# Allegro board AX7021-2019-04-01.brd (continued)
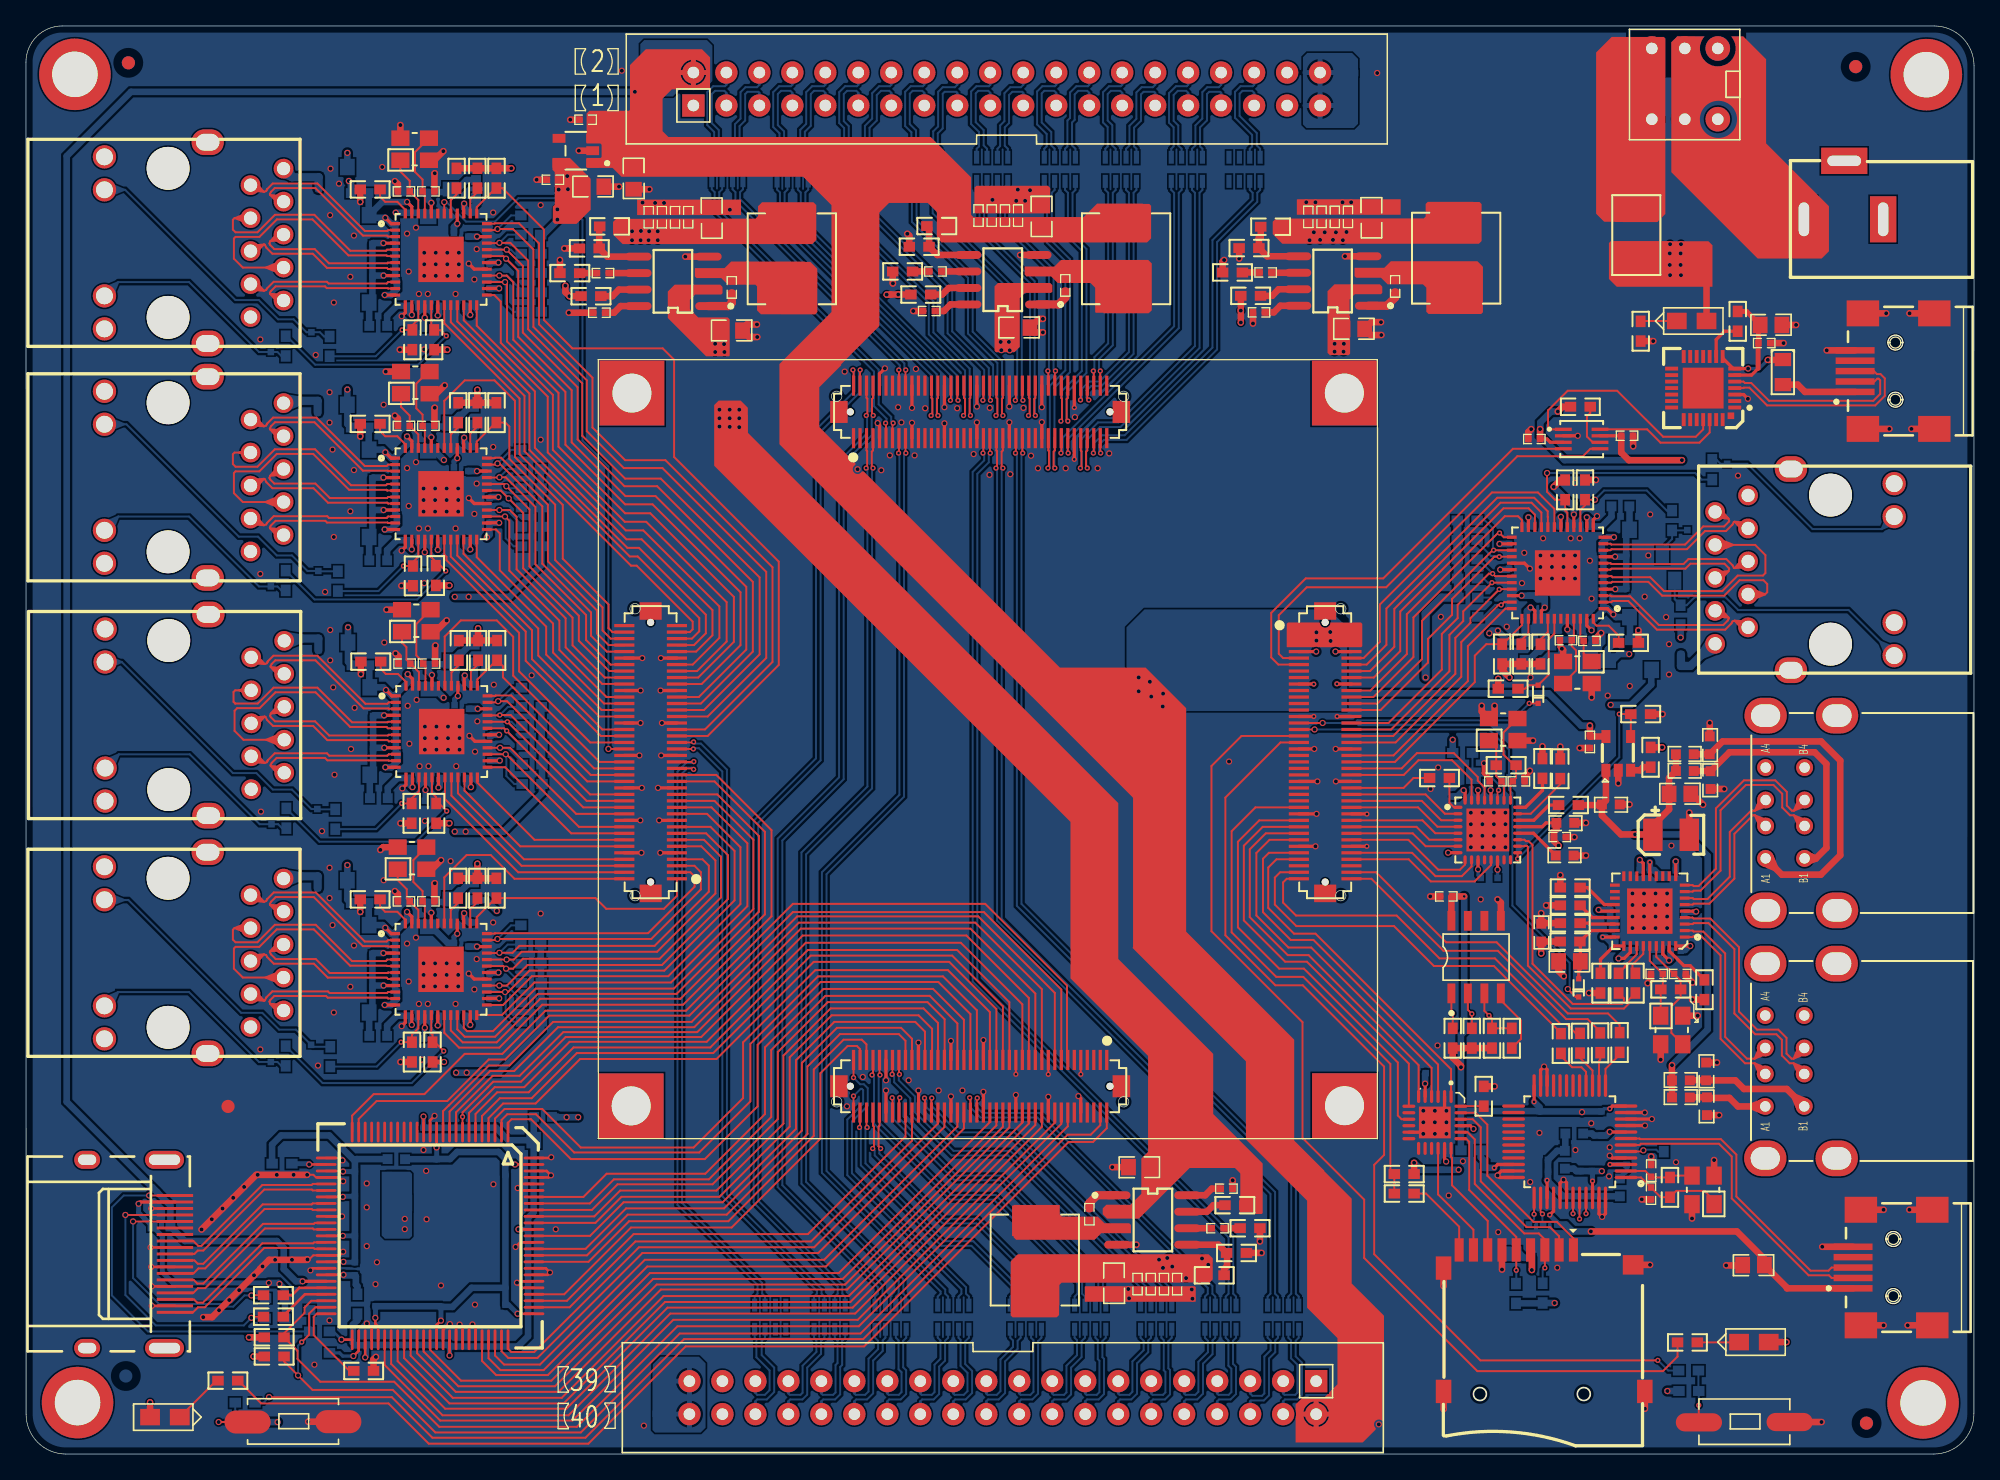
[diagram p0: board, top side]
## Routing (per net, layer and track width the routed paths; a pad name or vN(x,y) marks a point on that pad's centre or on a via; arc(x,y) is an arc through that point) (continued)
  vias: v1(30.62,74.37) v1(30.62,73.48) v1(30.62,72.59) v1(30.62,37.8) v1(30.62,36.91) v1(30.62,36.02) v1(30.67,92.53) v1(30.67,91.64) v1(30.67,90.75) v1(30.72,56.03) v1(30.72,55.14) v1(30.72,54.25) v1(31.51,74.37) v1(31.51,73.48) v1(31.51,72.59) v1(31.51,37.8) v1(31.51,36.91) v1(31.51,36.02) v1(31.56,92.53) v1(31.56,91.64) v1(31.56,90.75) v1(31.61,56.03) v1(31.61,55.14) v1(31.61,54.25) v1(32.39,74.37) v1(32.39,73.48) v1(32.39,72.59) v1(32.39,37.8) v1(32.39,36.91) v1(32.39,36.02) v1(32.45,92.53) v1(32.45,91.64) v1(32.45,90.75) v1(32.5,56.03) v1(32.5,55.14) v1(32.5,54.25) v1(33.28,73.48) v1(33.28,72.59) v1(33.28,36.91) v1(33.28,36.02) v1(33.33,91.64) v1(33.33,90.75) v1(33.39,55.14) v1(33.39,54.25) v1(47.48,96.39) v1(48.45,96.37) v1(49.13,96.37) v1(54.2,95.85) v1(63.04,83.37) v1(63.22,26.78) v1(64.03,75.86) v1(64.44,29.04) v1(65.86,75.78) v1(66.52,76.92) v1(67.16,80.63) v1(67.41,79.46) v1(67.97,28.79) v1(68.43,76.92) v1(68.53,83.58) v1(69.24,80.56) v1(70.28,28) v1(71.71,80.56) v1(72.11,28) v1(72.98,77.02) v1(74.22,80.58) v1(74.19,75.42) v1(74.42,96.61) v1(75.79,75.48) v1(76.25,96.53) v1(76.38,97.4) v1(76.81,80.58) v1(76.94,96.53) v1(77.32,97.34) v1(77.4,76.9) v1(77.93,75.93) v1(80.06,75.93) v1(80.77,79.87) v1(82.53,75.93) v1(83.41,77.08) v1(84.89,12.71) v1(84.95,11.99) v1(89.77,12.67) v1(89.82,11.96) v1(92.64,53.34) v1(98.59,96.42) v1(99.3,96.42) v1(101.38,96.42) v1(102.04,96.42) v1(107.6,26.44) v1(107.6,25.55) v1(108.49,26.44) v1(108.49,25.55) v1(108.49,24.66) v1(109.38,25.55) v1(109.38,24.66) v1(111.26,49.4) v1(111.26,48.51) v1(111.26,47.62) v1(111.26,46.74) v1(112.15,49.4) v1(112.15,48.51) v1(112.15,47.62) v1(112.15,46.74) v1(113.04,49.4) v1(113.04,48.51) v1(113.04,47.62) v1(113.04,46.74) v1(113.93,49.4) v1(113.93,48.51) v1(113.93,47.62) v1(113.93,46.74) v1(116.62,69.22) v1(116.62,68.33) v1(116.62,67.44) v1(117.51,69.22) v1(117.51,68.33) v1(118.4,69.22) v1(118.4,68.33) v1(118.4,67.44) v1(119.29,69.22) v1(119.29,68.33) v1(119.29,67.44) v1(123.71,43.18) v1(123.71,41.4) v1(124.6,42.29) v1(124.6,41.4) v1(124.6,40.51) v1(125.07,72.38) v1(125.49,42.29) v1(125.49,41.4) v1(126.37,42.29)
VBUS1: length 6.1
  TOP w0.508: L26.1 128.13,27.48 C237.1 129.49,27.43 131.18,27.43 131.83,26.78 J5.A1
VBUS2: length 9.6
  TOP w0.508: J5.B1 135.59,28.12 132.29,28.12 131.63,28.78 C238.1 129.38,28.79 L29.1
VBUS3: length 26.5
  TOP w0.508: J6.A1 135.21,44.63 138.21,44.63 139.71,46.13 139.71,53.42 138.24,54.89 130.64,54.89 C241.1 129.66,53.91 L27.1
VBUS4: length 19.7
  TOP w0.508: J6.B1 137.84,45.88 138.64,46.69 138.64,53.15 137.74,54.05 131.17,54.05 C242.1 129.71,52.61 L30.1
VCC1V2: length 77
  TOP w0.254: v1(36.48,53.42) 36.47,53.4 U11.26 ; U12.14 v1(29.71,69.68) ; U13.14 v1(29.71,87.74) ; U6.23 v1(115.69,72.15) ; v1(33.74,41.66) 33.69,41.61 33.69,40.89 U10.39 ; U10.14 v1(29.71,33.05) ; U13.23 v1(34.21,87.74) ; v1(36.43,35.1) 35.5,35.1 U10.26 ; v1(36.43,71.73) 35.5,71.73 U12.26 ; v1(33.74,78.28) 33.69,78.23 33.69,77.51 U12.39 ; U6.30 v1(113.53,68.12) ; U6.26 114.4,70.1 v1(113.47,70.1) ; U11.23 v1(34.26,51.37) ; U11.14 v1(29.76,51.37) ; v1(36.43,89.79) 35.5,89.79 U13.26 ; v1(33.74,96.32) 33.69,96.27 33.69,95.57 U13.39 ; U13.30 v1(36.38,91.77) ; U12.30 v1(36.38,73.71) ; v1(31.71,33.02) U10.18 ; U12.23 v1(34.21,69.69) ; v1(31.71,87.71) U13.18 ; v1(118.19,72.19) U6.18 ; U10.30 v1(36.38,37.09) ; U6.14 v1(120.19,72.15) ; v1(33.79,59.97) 33.74,59.92 33.74,59.2 U11.39 ; U10.23 v1(34.21,33.06) ; U6.39 116.19,64.94 115.94,65.2 v1(115.86,65.2) ; U11.30 v1(36.43,55.4) ; v1(31.71,69.65) U12.18 ; v1(31.76,51.33) U11.18
  BOTTOM w0.254: v1(29.71,33.05) 29.52,33.24 C91.1
  BOTTOM w0.508: v1(33.79,59.97) 33.79,59.64 34.17,59.26 C121.1 34.55,59.44 L14.1 ; C145.1 33.84,70.02 34.17,69.69 v1(34.21,69.69) ; v1(33.74,41.66) 33.74,41.33 34.12,40.94 C95.1 ; v1(36.26,41.83) 35.43,42.66 L11.1 ; v1(34.26,51.37) 34.22,51.37 33.89,51.7 C117.1 ; v1(120.19,72.15) 120.38,71.97 C38.1 121.35,71.45 122.1,72.2 L6.1 ; v1(36.48,53.42) C118.1 ; v1(112.68,63.22) 112.89,63.42 v1(113.34,63.42) 113.34,63.4 114.2,62.55 L5.1 115.4,64.08 C35.1 115.58,64.92 v1(115.86,65.2) ; C37.1 118.09,72.09 v1(118.19,72.19) ; v1(33.74,78.28) 33.74,77.95 34.12,77.57 C142.1 34.5,77.75 L17.1 ; v1(29.76,51.37) 29.58,51.55 C120.1 28.61,52.07 27.86,51.32 L15.1 ; L21.1 27.81,87.69 28.56,88.44 C170.1 29.52,87.93 v1(29.71,87.74) ; C173.1 31.81,87.81 v1(31.71,87.71) ; v1(31.71,33.02) 31.81,33.12 C92.1 ; C146.1 31.81,69.75 v1(31.71,69.65) ; v1(35.49,70.61) 35.7,70.82 C143.1 v1(36.43,71.73) ; v1(36.43,55.4) 35.83,55.4 C116.1 ; v1(36.43,35.1) C94.1 ; C93.1 33.84,33.39 34.17,33.06 v1(34.21,33.06) ; v1(36.43,89.79) C172.1 ; C147.1 35.78,73.71 v1(36.38,73.71) ; C168.1 35.78,91.77 v1(36.38,91.77) ; v1(36.38,37.09) 35.78,37.09 C90.1 ; C91.1 28.56,33.76 27.81,33.01 L12.1 ; C36.1 114.13,68.12 v1(113.53,68.12) ; v1(31.76,51.33) 31.86,51.43 C119.1 ; v1(29.71,69.68) 29.52,69.87 C144.1 28.56,70.38 27.81,69.63 L18.1 ; v1(115.69,72.15) 115.73,72.15 116.06,71.82 C34.1 ; v1(113.47,70.1) C39.1 ; v1(33.74,96.32) 33.74,96.01 34.12,95.63 C169.1 34.33,95.94 34.66,96.27 L20.1 ; v1(34.21,87.74) 34.17,87.74 33.84,88.07 C171.1
  vias: v1(46.67,94.18) v1(46.67,93.5) v1(47.36,94.21) v1(47.33,93.5) v1(47.99,94.18) v1(47.94,93.5) v1(48.65,94.18) v1(48.65,93.5)
VCC1V8: length 48.3
  TOP w0.254: v1(112.79,51.13) 112.82,51.1 U7.28 ; U7.32 110.82,51.02 v1(110.7,51.13) ; U6.34 v1(115.17,66.12) ; U6.16 v1(119.19,72.37) ; v1(116.95,65.2) 116.69,64.94 U6.40 ; U7.11 v1(111.82,45.03) ; U7.8 v1(109.51,46.32) ; U7.14 v1(113.32,45.01) ; U7.30 v1(111.82,51.13) ; U5.5 v1(107.74,28.53)
  TOP w0.508: v1(117.64,74.5) 118.17,75.03 R27.2 ; R29.2 R23.1 R24.2 113.68,60.37 v1(114.23,59.82) ; R26.2 v1(113.37,59.72)
  BOTTOM w0.254: v1(111.82,45.03) 111.82,44.58 C54.1 ; v1(113.32,45.01) 113.32,44.38 C56.1
  BOTTOM w0.508: v1(116.95,65.2) C29.1 116.42,65.84 116.14,66.12 C28.1 115.18,66.12 v1(115.17,66.12) ; v1(110.7,51.13) 110.22,50.65 C55.1 ; v1(122.03,57.71) 123.6,57.71 125.16,59.27 125.16,60.38 C26.1 ; R36.2 v1(109.86,55.02) ; v1(107.74,28.53) 107.74,29.29 C24.1 ; v1(117.64,74.5) 118.93,73.2 C27.1 119.19,73.16 v1(119.19,72.37)
  BOTTOM w0.635: R30.2 R31.2 R32.2 110.25,68.89 R33.2 110.27,67.42 R28.2 109,65.97 107.78,64.74 v1(107.78,59.82)
  BOTTOM w0.762: L9.2 29.18,21.35 L8.2 29.19,19.35 C81.1 v1(29.17,18.11) v1(29.17,17.32)
  vias: v1(87.25,14.97) v1(87.56,14.34) v1(87.89,15.1) v1(88.27,14.44) v1(89.33,13.55) v1(90.56,15.06) v1(91.04,14.58)
VCC3V3: length 161.3
  TOP w0.254: U5.21 111.22,25.29 v1(111.47,25.04) ; v1(128.61,41.78) 128.42,41.78 128.38,41.82 U18.5 ; v1(122.64,38.18) 123.07,38.18 123.54,38.64 U18.29 ; C240.1 122.84,78.43 U4.7 ; C52.1 117.05,48.62 116.76,48.32 U7.21 ; U18.36 v1(128.16,39.13) ; U18.23 121.2,41.82 v1(121.1,41.92) ; v1(109.36,22.53) 109.36,22.58 109.24,22.7 U5.17 ; U18.10 v1(127.04,45.65) ; U18.15 124.54,45.5 v1(124.27,45.76) ; U4.3 117.38,77.93 117.13,78.18 C239.1
  TOP w0.508: C239.1 v1(116.6,78.95) ; v1(127.52,76.56) 123.43,76.56 122.84,77.14 C240.1 ; R160.1 118.33,80.67 v1(117.96,80.3) ; C52.1 117.85,48.11 117.66,47.92 C53.1 117.66,47.22 v1(118.02,46.86) ; R41.1 v1(125.99,54.43) ; R48.2 v1(17.17,8.99) ; v1(115.96,14.17) 115.96,15.62 J3.4 ; R19.2 v1(106.89,22.43) ; v1(17.53,7.51) R49.2 ; LED2.1 v1(9.56,3.98) ; v1(116.68,38.56) C224.1 116.68,39.48 R153.2 ; LED1.1 v1(135.56,8.62)
  SVCC w0.381: J12.11 7.14,81.86 ; J12.11 4.95,81.86 ; J12.11 6.04,82.95 ; J12.11 6.04,80.77 ; J11.11 6.1,64.64 ; J11.11 7.19,63.55 ; J11.11 6.1,62.46 ; J11.11 5,63.55 ; J16.40 100.71,106.41 ; J16.40 99.65,107.47 ; J16.40 98.6,106.41 ; J16.40 99.65,105.36 ; 4.95,45.23 J10.11 ; J10.11 6.04,44.14 ; J10.11 7.14,45.23 ; J10.11 6.04,46.32 ; J12.14 6.04,69.7 ; J12.14 4.95,68.61 ; J12.14 6.04,67.52 ; J12.14 7.14,68.61 ; J15.39 51.09,6.67 ; J15.39 51.09,4.56 ; J15.39 52.14,5.61 ; J15.39 50.03,5.61 ; 4.95,31.98 J10.14 ; J10.14 6.04,30.89 ; J10.14 7.14,31.98 ; J10.14 6.04,33.07 ; J11.14 7.19,50.3 ; J11.14 5,50.3 ; J11.14 6.1,49.21 ; J11.14 6.1,51.39 ; 51.09,2.02 J15.40 ; J15.40 51.09,4.13 ; J15.40 52.14,3.07 ; J15.40 50.03,3.07 ; J13.11 6.04,101.01 ; J13.11 6.04,98.83 ; J13.11 4.95,99.92 ; J13.11 7.14,99.92 ; J13.14 6.04,87.76 ; J13.14 4.95,86.67 ; J13.14 6.04,85.58 ; J13.14 7.14,86.67 ; 98.6,103.87 J16.39 ; J16.39 99.65,104.93 ; J16.39 100.71,103.87 ; J16.39 99.65,102.82 ; 142.77,74.75 J4.14 ; J4.14 143.86,73.66 ; J4.14 144.95,74.75 ; J4.14 143.86,75.84
  BOTTOM w0.381: J16.40 100.82,106.41 ; J16.40 98.49,106.41 ; J16.40 99.65,105.24 ; J16.40 99.65,107.58 ; J15.39 51.09,6.78 ; J15.39 51.09,4.45 ; J15.39 49.92,5.61 ; 99.65,102.7 J16.39 ; J16.39 98.49,103.87 ; J16.39 99.65,105.04 ; J16.39 100.82,103.87 ; J15.40 51.09,4.24 ; J15.40 51.09,1.91 ; J15.40 49.92,3.07 ; C225.1 128.53,41.7 v1(128.61,41.78) ; v1(128.16,39.13) 127.79,38.77 C223.1
  BOTTOM w0.508: R123.2 v1(19.37,2.46) ; L13.1 24.8,61.02 C112.1 v1(24.8,63.68) ; v1(121.1,41.92) C228.1 121.99,41.02 R163.2 ; v1(115.96,14.17) C25.1 115.35,15.11 115.05,15.42 C22.1 ; v1(110.32,21.89) C23.1 107.43,21.89 v1(106.89,22.43) ; L16.1 24.75,79.34 C138.1 v1(24.75,81.99) ; v1(127.52,76.56) 118.48,76.56 116.6,78.44 v1(116.6,78.95) 116.61,78.96 116.61,79.46 117.45,80.3 v1(117.96,80.3) ; R111.1 v1(127.42,62.89) ; L10.1 24.75,42.71 C86.1 v1(24.75,45.36) ; C226.1 127.04,45.65 v1(127.04,45.65) ; v1(123.45,61.62) 122.69,61.62 122.18,61.11 C30.1 121.8,61.98 122.15,62.32 L4.1 ; v1(28.47,95.62) 30.66,95.62 C164.1 ; L7.1 40.94,25.97 40.97,25.95 v1(41.63,25.95) v1(42.52,25.95) ; L19.1 25.02,97.13 25.02,97.9 v1(24.87,98.06) ; C229.1 123.26,38.79 v1(122.64,38.18) ; v1(117.71,11.63) R17.2 116.77,11.61 R16.2 ; R119.2 v1(126.4,4.85) ; C227.1 v1(124.27,45.76)
  vias: v1(98.84,93.5) v1(99.17,94.11) v1(99.65,93.52) v1(100.01,94.11) v1(100.64,93.52) v1(100.87,94.11) v1(101.41,93.5) v1(101.69,94.13)
VCC5V: length 184.2
  TOP w0.254: U9.45 v1(21.3,13.3)
  TOP w0.381: 51.39,105.36 J16.2 ; J16.2 52.45,106.41 ; J16.2 51.39,107.47 ; J16.2 50.34,106.41 ; J15.2 100.4,3.07 ; J15.2 99.35,4.13 ; J15.2 99.35,2.02 ; J15.2 98.29,3.07
  TOP w0.508: U8.5 120.46,55.27 C61.1 v1(120.43,56.11)
  BOTTOM w0.381: J16.2 51.39,107.58 ; J16.2 50.23,106.41 ; J16.2 52.56,106.41 ; J16.2 51.39,105.24 ; 99.35,1.91 J15.2 100.52,3.07
  BOTTOM w0.508: 101.09,58.58 101.11,58.6 117.26,58.6 119.75,56.11 v1(120.43,56.11) ; v1(46.89,104.93) 8.09,104.93 3.13,99.97 3.13,27.13 9.72,20.54 9.74,20.54 10.11,20.17 10.11,20.15 11.12,19.14 F1.1 12.24,16.41 19.31,16.41 19.85,15.88 19.85,14.25 20.79,13.3 v1(21.3,13.3)
  vias: v1(85.68,59.82) v1(85.68,58.75) v1(86.55,59.49) v1(86.65,58.34) v1(87.56,58.57) v1(87.54,57.58) v1(99.37,63.29) v1(99.37,62.66) v1(100.44,63.32) v1(100.46,62.63)
VCC12V: length 8.8
  TOP w0.508: LED9.1 129.41,90.28 129.44,90.31 ; R142.1 93.55,89.21 v1(93.55,88.07) v1(93.55,87.16) ; v1(41.54,89.99) 41.54,89.5 v1(41.85,89.19) R166.1 ; v1(66.28,89.31) 66.57,89.31 66.58,89.32 v1(67.17,89.32) R138.1
  vias: v1(53.07,85.52) v1(53.07,84.89) v1(53.4,80.44) v1(53.4,79.78) v1(53.4,79.15) v1(53.76,85.5) v1(53.78,84.89) v1(54.19,80.44) v1(54.19,79.78) v1(54.19,79.12) v1(54.92,80.44) v1(54.92,79.78) v1(54.92,79.1) v1(75.06,85.66) v1(75.11,85.03) v1(75.69,85.66) v1(75.75,85.01) v1(100.77,85.52) v1(100.77,84.91) v1(101.48,85.52) v1(101.46,84.91) v1(126.6,93.19) v1(126.58,92.48) v1(126.58,91.59) v1(126.6,90.8) v1(127.42,92.48) v1(127.42,91.59) v1(127.44,93.19) v1(127.44,90.8)
9134_CLK: length 42.5
  TOP w0.152: U9.88 43.43,16.8 46.02,19.39 53.64,19.39 59.29,25.04 59.29,30.33 62.25,33.29 68.48,33.29 69.23,32.54 CON4.57
9134_D0: length 46.8
  TOP w0.152: CON4.45 72.23,33.45 69.85,35.83 61.41,35.83 56.91,31.32 56.91,26.19 52.31,21.59 44.71,21.59 42.93,19.8 U9.94
9134_D1: length 45.9
  TOP w0.152: U9.93 43.42,19.3 45.27,21.16 52.59,21.16 57.39,25.96 57.39,31.12 61.56,35.29 69.6,35.29 71.73,33.16 CON4.47
9134_D2: length 45
  TOP w0.152: U9.92 43.58,18.8 45.55,20.78 52.87,20.78 57.9,25.81 57.9,30.97 61.74,34.81 69.42,34.81 70.74,33.49 70.74,30.37 CON4.51
9134_D3: length 44.1
  TOP w0.152: CON4.53 70.23,33.22 69.11,34.33 61.97,34.33 58.33,30.69 58.33,25.45 53.17,20.29 45.76,20.29 43.77,18.3 U9.91
9134_D4: length 43.3
  TOP w0.152: CON4.55 69.78,30.4 69.78,32.75 68.73,33.79 62.04,33.79 58.81,30.56 58.81,25.22 53.4,19.81 45.86,19.81 43.85,17.8 U9.90
9134_D5: length 41.2
  TOP w0.152: U9.86 43.09,15.8 46.21,18.92 53.76,18.92 59.75,24.92 59.75,30.13 62.45,32.83 67.39,32.83 68.23,31.99 CON4.61
9134_D6: length 40.4
  TOP w0.152: U9.85 43.2,15.3 46.34,18.44 53.96,18.44 60.18,24.66 60.18,29.85 62.68,32.35 67.21,32.35 67.73,31.83 CON4.63
9134_D7: length 37
  TOP w0.152: U9.84 43.31,14.8 46.44,17.93 54.09,17.93 60.67,24.51 60.67,29.62 62.96,31.91 64.36,31.91 64.72,31.56 64.72,30.36 CON4.75
9134_D8: length 36.9
  TOP w0.152: CON4.77 64.23,31.19 63.98,31.43 63.27,31.43 61.17,29.33 61.17,24.28 54.34,17.45 46.59,17.45 41.45,12.3 U9.79
9134_D9: length 35.7
  TOP w0.152: CON4.64 67.73,24.45 60.21,16.94 46.79,16.94 41.66,11.8 U9.78
9134_D10: length 36.6
  TOP w0.152: U9.77 41.86,11.3 46.93,16.37 60.46,16.37 68.23,24.14 CON4.62
9134_D11: length 42
  TOP w0.152: U9.75 37.12,8.11 37.36,7.86 39.14,7.86 47.2,15.93 60.7,15.93 70.23,25.46 CON4.54
9134_D12: length 43.7
  TOP w0.152: CON4.52 70.73,25.19 61.01,15.48 47.47,15.48 39.39,7.4 37.14,7.4 36.62,7.92 U9.74
9134_D13: length 45.8
  TOP w0.152: CON4.48 71.73,25.23 61.46,14.96 47.66,14.96 39.59,6.9 36.81,6.9 36.12,7.59 U9.73
9134_D14: length 47.4
  TOP w0.152: CON4.46 72.23,25.07 61.6,14.45 47.84,14.45 39.86,6.46 36.54,6.46 35.62,7.38 U9.72
9134_D15: length 50
  TOP w0.152: CON4.38 74.23,25.57 62.6,13.94 48.05,13.94 40.19,6.08 36.21,6.08 35.12,7.17 U9.71
9134_D16: length 54.5
  TOP w0.152: CON4.36 74.73,25.31 62.9,13.49 48.3,13.49 40.46,5.65 33.5,5.65 31.12,8.03 U9.63
9134_D17: length 56
  TOP w0.152: U9.62 30.62,7.9 33.3,5.22 40.73,5.22 48.57,13.06 63.08,13.06 75.23,25.2 CON4.34
9134_D18: length 57.5
  TOP w0.152: CON4.32 75.73,25.17 63.24,12.67 48.9,12.67 41.01,4.79 33.09,4.79 30.12,7.76 U9.61
9134_D19: length 59.2
  TOP w0.152: CON4.28 76.73,25.53 63.36,12.17 49.1,12.17 41.26,4.33 32.87,4.33 29.62,7.58 U9.60
9134_D20: length 60.7
  TOP w0.152: U9.59 29.12,7.39 32.61,3.9 41.4,3.9 49.21,11.71 63.48,11.71 77.23,25.46 CON4.26
9134_D21: length 62.3
  TOP w0.152: CON4.24 77.73,25.34 63.66,11.28 49.4,11.28 41.62,3.49 32.28,3.49 28.62,7.15 U9.58
9134_D22: length 63.9
  TOP w0.152: U9.57 28.12,6.94 32.08,2.98 41.78,2.98 49.62,10.82 63.85,10.82 78.23,25.2 CON4.22
9134_D23: length 65.6
  TOP w0.152: U9.56 27.62,6.86 31.9,2.58 42.08,2.58 49.84,10.34 64.05,10.34 79.23,25.52 CON4.18
9134_DE: length 50.7
  TOP w0.152: CON4.43 72.73,33.89 70.26,36.36 61.19,36.36 56.34,31.51 56.34,26.78 52.27,22.72 41.96,22.72 38.89,25.79 37.39,25.79 37.12,25.52 U9.1
9134_HS: length 52.1
  TOP w0.152: U9.2 36.62,25.73 37.06,26.17 39.27,26.17 42.22,23.23 51.84,23.23 55.78,27.16 55.78,31.58 60.99,36.79 70.61,36.79 73.23,34.18 CON4.41
9134_INT: length 69.6
  TOP w0.152: CON4.15 79.73,35.78 73.76,41.74 59.06,41.74 51.08,33.77 40.29,33.77 36.91,30.39 35.64,30.39 32.44,27.19 27,27.19 25.62,25.81 U9.24
9134_MCLK: length 52.2
  TOP w0.152: U9.5 35.12,26.04 36.49,27.41 38.94,27.41 42.42,30.89 52.92,30.89 60.43,38.39 71.32,38.39 75.23,34.49 CON4.33
9134_NRESET: length 71.4
  TOP w0.152: CON4.13 80.16,30.42 80.16,36.08 73.86,42.38 59.06,42.38 50.83,34.15 40.01,34.15 36.68,30.82 33.78,30.82 30.68,27.72 26.77,27.72 25.12,26.07 U9.25
9134_SCK: length 62.5
  TOP w0.152: CON4.17 79.23,35.52 73.33,41.41 59.39,41.41 51.26,33.29 40.59,33.29 37.24,29.93 35.65,29.93 32.57,26.86 32.56,26.86 32.12,26.41 U9.11
9134_SCL: length 78.4
  TOP w0.152: U9.48 21.97,11.8 21.45,11.28 21.45,10.87 19.87,9.29 R48.1 20.91,7.96 20.91,7.33 22.66,5.57 28.35,5.57 31.83,2.09 42.42,2.09 50.17,9.84 64.14,9.84 79.73,25.43 CON4.16
9134_SD0: length 59.2
  TOP w0.152: U9.9 33.12,26.32 35.93,29.13 38.01,29.13 41.38,32.5 51.69,32.5 59.67,40.47 72.72,40.47 77.73,35.47 CON4.23
9134_SD1: length 57.5
  TOP w0.152: U9.8 v2(33.62,25.98) 33.62,26.31 35.56,28.25 35.56,28.26 35.98,28.68 38.12,28.68 41.56,32.12 52,32.12 59.82,39.94 72.42,39.94 77.23,35.13 CON4.25
9134_SD2: length 55.8
  TOP w0.152: CON4.27 76.73,34.64 71.98,39.38 60.05,39.38 52.41,31.75 41.86,31.75 38.37,28.26 36.09,28.26 34.12,26.28 U9.7
9134_SD3: length 53.8
  TOP w0.152: U9.6 34.62,26.2 36.29,27.86 38.71,27.86 42.17,31.32 52.69,31.32 60.2,38.82 71.71,38.82 75.73,34.8 CON4.31
9134_SDA: length 80.5
  TOP w0.152: U9.49 22.29,11.3 21.8,10.82 21.8,9.19 v2(21.23,8.62) ; R49.1 19.87,7.13 v1(20.95,6.05) 22.07,4.94 28.25,4.94 31.52,1.66 42.72,1.66 50.34,9.28 64.26,9.28 80.23,25.25 CON4.14
  BOTTOM w0.152: v2(21.23,8.62) 20.95,8.34 v1(20.95,6.05)
9134_SPDIF: length 50.6
  TOP w0.152: U9.4 35.62,25.88 36.74,27 39.24,27 42.67,30.43 53.18,30.43 60.66,37.91 71.1,37.91 74.73,34.28 CON4.35
9134_VS: length 53.9
  TOP w0.152: CON4.37 74.23,34.04 70.99,37.27 60.78,37.27 55.22,31.71 55.22,27.42 51.41,23.61 42.72,23.61 39.75,26.58 36.86,26.58 36.12,25.84 U9.3
9134_WS: length 60.8
  TOP w0.152: U9.10 32.62,26.38 35.74,29.5 37.59,29.5 40.97,32.88 51.46,32.88 59.51,40.93 73.1,40.93 78.23,35.81 CON4.21
+3P3OUTV: length 12
  TOP w0.254: v2(117.13,21.08) U1.39
  BOTTOM w0.508: L2.1 121.54,19.85 C14.1 118.35,19.86 v2(117.13,21.08) 117.21,21.16 C12.1 C8.1 117.9,23.36 L3.1 118.54,23.39 L1.1
+3P3V: length 52.5
  TOP w0.254: U1.24 v2(116.13,27.13) ; U1.46 v2(120.63,21.03) ; U1.12 122.17,26.8 v2(121.96,26.59)
  TOP w0.508: U2.8 109.76,42.9 C17.1 v2(110.75,42.95) ; R11.2 R10.2 R9.2 109.86,31.26 109.86,30.53 110.5,29.9 v1(110.5,29.79)
  SVCC w0.508: v1(119.82,26.34) 119.82,23.83 121.35,22.3 v1(121.35,21.79)
  BOTTOM w0.254: v2(121.96,26.59) 121.52,26.59 C11.1
  BOTTOM w0.381: v2(120.63,21.03) 120.63,21.74 C16.1
  BOTTOM w0.508: C9.1 110.53,26.42 110.5,26.39 ; C9.1 116.57,26.39 119.77,26.39 v1(119.82,26.34) 119.87,26.39 C11.1 ; C9.1 116.55,26.72 v2(116.13,27.13) ; R7.1 110.5,26.39 ; 110.5,26.39 v1(110.5,29.79) 110.5,32.28 110.75,32.54 v2(110.75,42.95) ; L3.2 119.19,21.98 119.38,21.79 C10.1 C16.1 v1(121.35,21.79)
DN1: length 14.4
  TOP w0.152: U18.1 128.34,39.82 128.42,39.89 129.01,39.89 130.49,38.41 130.49,31.98 132.37,30.1 133.11,30.1 J5.A2
DN2: length 17.7
  TOP w0.152: U18.3 128.34,40.82 128.42,40.89 129.56,40.89 131.56,38.89 131.56,33.93 133.16,32.33 134.79,32.33 135.21,31.91 135.21,30.7 135.81,30.1 136.11,30.1 J5.B2
DN3: length 11.4
  TOP w0.152: U18.6 128.34,42.32 128.42,42.39 129.63,42.39 131.56,44.32 131.56,47.77 132.99,49.2 133.14,49.2 J6.A2
DN4: length 17.3
  TOP w0.152: J6.B2 136.14,49.2 135.84,49.2 135.24,49.8 135.24,50.86 134.56,51.54 132.44,51.54 130.49,49.59 130.49,44.94 128.95,43.39 128.42,43.39 128.34,43.32 U18.8
DP1: length 14.4
  TOP w0.152: U18.2 128.34,40.32 128.42,40.25 129.15,40.25 130.85,38.56 130.85,32.13 132.52,30.45 133.11,30.45 J5.A3
DP2: length 17.7
  TOP w0.152: U18.4 128.34,41.32 128.42,41.25 129.7,41.25 131.91,39.04 131.91,34.08 133.3,32.69 134.93,32.69 135.57,32.05 135.57,30.85 135.96,30.45 136.11,30.45 J5.B3
DP3: length 11.4
  TOP w0.152: J6.A3 133.14,49.56 132.84,49.56 131.2,47.92 131.2,44.47 129.48,42.75 128.42,42.75 128.34,42.82 U18.7
DP4: length 17.3
  TOP w0.152: J6.B3 136.14,49.56 135.99,49.56 135.6,49.95 135.6,51 134.71,51.89 132.29,51.89 130.13,49.73 130.13,45.09 128.8,43.75 128.42,43.75 128.34,43.82 U18.9
DSCL: length 20.1
  TOP w0.152: J9.15 v1(8.25,17.91) ; v1(17.36,12.22) 17.37,12.23 R44.2
  BOTTOM w0.152: R53.1 17.57,12 v1(17.36,12.22) 16.82,12.22 15.96,11.35 15.38,11.35 15.17,11.56 10.25,11.56 8.25,13.56 v1(8.25,17.91)
DSDA: length 22.9
  TOP w0.152: J9.16 v1(7.66,18.41) ; v1(17.36,10.49) 17.45,10.58 R45.2
  BOTTOM w0.152: v1(7.66,18.41) 7.66,12.25 10,9.91 16.77,9.91 v1(17.36,10.49) 17.41,10.44 R54.1
EECLK: length 24.1
  TOP w0.152: U1.44 v2(119.63,18.11) ; U2.2 111.03,34.22 v2(111.34,33.91) R10.1
  SVCC w0.127: v2(119.63,18.11) 118.88,18.11 118.44,18.55 118.44,20.43 111.34,27.53 v2(111.34,33.91)
EECS: length 26.2
  TOP w0.152: R9.1 109.87,33.91 v2(109.84,33.93) 109.76,34.01 U2.1 ; U1.45 v2(120.13,18.52)
  SVCC w0.127: v2(109.84,33.93) 109.84,28.12 116.67,21.29 116.67,19.68 118.81,17.55 119.87,17.55 120.13,17.81 v2(120.13,18.52)
EEDATA: length 23.6
  TOP w0.152: R12.1 R11.1 112.89,33.55 v2(112.66,33.78) 112.3,34.14 U2.3 ; U1.43 v2(119.13,18.52)
  SVCC w0.127: v2(112.66,33.78) 112.66,27.51 119.13,21.04 v2(119.13,18.52)
EX_IO1_1N: length 7.3
  BOTTOM w0.152: J15.3 96.81,4.66 96.91,4.56 97.74,4.56 97.9,4.72 97.9,6.89 97.42,7.37 97.42,8.75 97.21,8.96 RN1.6
EX_IO1_1P: length 8
  BOTTOM w0.152: J15.4 96.81,4.06 96.95,4.2 97.89,4.2 98.26,4.57 98.26,7.04 97.77,7.52 97.77,8.72 98.01,8.96 RN1.5
EX_IO1_2N: length 7.4
  BOTTOM w0.152: J15.5 94.27,4.66 94.45,4.48 95.18,4.48 95.36,4.67 95.36,7.51 95.84,7.99 95.84,8.72 95.61,8.96 RN1.8
EX_IO1_2P: length 8
  BOTTOM w0.152: RN1.7 96.41,8.96 96.2,8.75 96.2,7.84 95.72,7.36 95.72,4.52 95.32,4.13 94.33,4.13 94.27,4.06 J15.6
